# Altium PCB Graviton-RB1.PcbDoc (part 5 of 11) (continued)
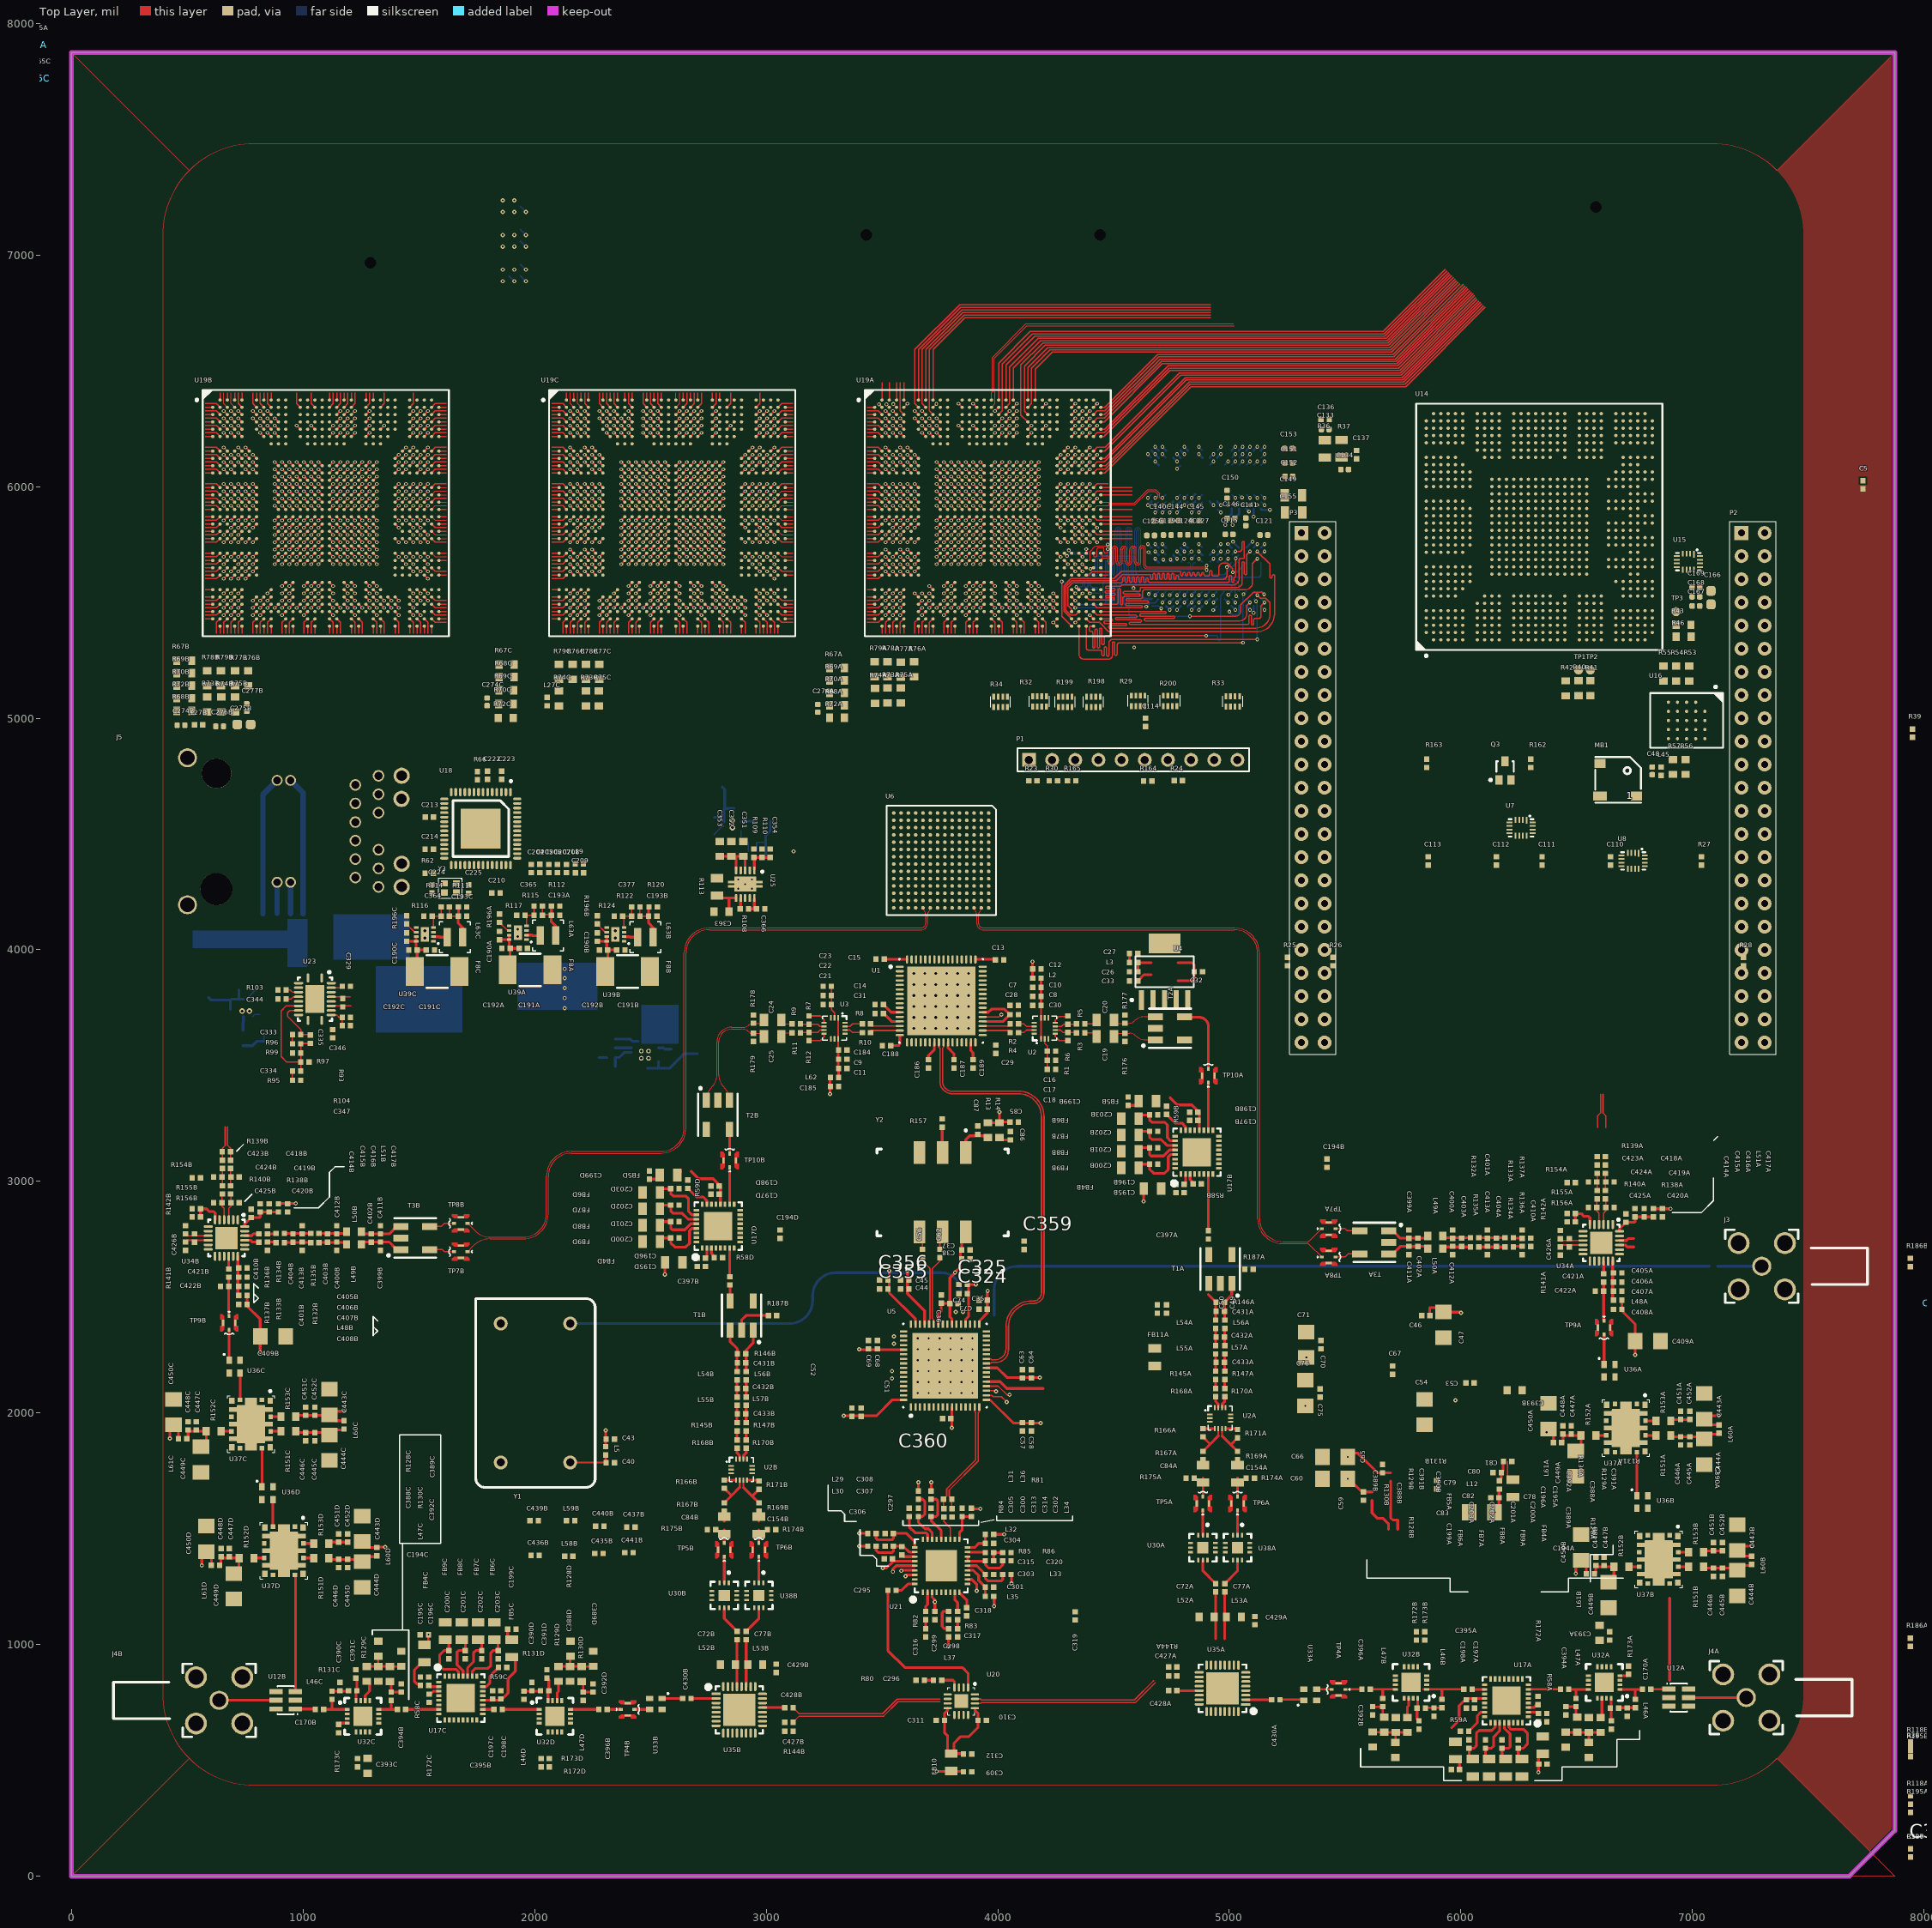
[diagram p0: Top Layer view]
## Nets (pads, with @x,y where several pads share a name; then routed paths per layer and width w, separated by ;. In a path a pad name is that pad's centre, name@x,y a point inside that pad or via, vN(x,y) a via of type N, cw(c..) or ccw(c..) an arc to the next point about the centre after c; other vN are vias at no path point) (continued)
DAC-LVDS.DAC-SYNC_N: U6.B5 U19C.Y32 | length 32.1
  Top Layer w2.99: U19C.Y32@3082.68,5775.59 3114.76,5775.59
DAC-LVDS.DAC-SYNC_P: U6.A5 U19C.W31 | length 70.1
  Top Layer w2.99: U19C.W31@3051.18,5807.09 3066.93,5791.34 3114.76,5791.34
DACCLK_N: U5.28 U6.A11
DACCLK_P: U5.27 U6.A12
DDR-A0: R33.1 U9.N3 U10.N3 U19A.AM28 | length 1235.3
  Top Layer w4.72: v1(4276.55,5590) 4276.55,5439.98 U19A.AM28@4318.9,5397.64
  Bottom Layer w4.72: v1(4276.55,5590) 4285,5590 cw(c4285,5585) 4290,5585 4290,5544 ccw(c4295,5544) 4295,5539 ccw(c4295,5544) 4300,5544 4300,5577 cw(c4313,5577) 4313,5590 4350,5590 4383.72,5623.72 4413.39,5623.72 ccw(c4413.39,5630.34) 4420,5630.34 4420,5685 cw(c4435.12,5685) 4435.12,5700.12 4502.13,5700.12
  Bottom Layer w4.75: 4502.13,5700.12 4580,5700.12 cw(c4580,5685.12) 4595,5685.12 4595,5635 ccw(c4610,5635) 4610,5620 4979,5620 5032,5673 U9.N3@5041.75,5673
  other v2: 5057.5,6108.75
DDR-A1: R33.2 U9.P7 U10.P7 U19A.AM29 | length 1726.4
  Top Layer w4.72: U19A.AM29@4350.39,5397.64 4350.39,5278 ccw(c4373.39,5278) 4373.39,5255 4478,5255 ccw(c4478,5272) 4495,5272 4495,5324.81 cw(c4500,5324.81) 4500,5329.81 cw(c4500,5324.81) 4505,5324.81 4505,5276 ccw(c4510,5276) 4510,5271 ccw(c4510,5276) 4515,5276 4515,5315 cw(c4525,5315) 4525,5325 5058,5325 v2(5059,5326)
  Signal Layer 1 w4.75: v2(5061.54,5535.54) 5061.54,5608.54 cw(c5068,5608.54) 5068,5615 5082,5615 ccw(c5082,5620) 5087,5620 ccw(c5082,5620) 5082,5625 5067.92,5625 cw(c5067.92,5631.38) 5061.54,5631.38 5061.54,5904.87 5073,5916.33 5073,5936 v2(5089,5952)
  Bottom Layer w4.75: v2(5059,5326) 5058.88,5326.12 5058.88,5532.62 U9.P7@5073.25,5547 ; U10.P7@5073.25,5967 v2@5088.25,5952
DDR-A2: R33.3 U9.P3 U10.P3 U19A.AL28 | length 1235.9
  Top Layer w4.72: U19A.AL28@4318.9,5429.13 4285.28,5462.76 4285.28,5572.23 4315.5,5602.45 4501.45,5602.45 4534,5635 4785,5635 cw(c4785,5630) 4790,5630 4790,5620.06 ccw(c4795.06,5620.06) 4795.06,5615 ccw(c4795.06,5620) 4800.06,5620 4800.06,5625 ; 4815,5615 ccw(c4815,5620) 4815.06,5615 ; v2(5015,5630) 5015,5646.65 4991.65,5670 4976,5670 ccw(c4976,5649) 4955,5649 4955,5620 cw(c4950,5620) 4950,5615 4930,5615 cw(c4930,5620) 4925,5620 4925,5632.5 ccw(c4920,5632.5) 4920,5637.5 ccw(c4920,5632.5) 4915,5632.5 4915,5620 cw(c4910,5620) 4910,5615 4895.06,5615 cw(c4895.06,5620.06) 4890,5620.06 4890,5624 ccw(c4885,5624) 4885,5629 ccw(c4885,5624) 4880,5624 4880,5620 cw(c4875,5620) 4875.03,5615 cw(c4875.06,5620.06) 4870,5620.06 4870,5624 ccw(c4865,5624) 4865,5629 ccw(c4865,5624) 4860,5624 4860,5620 cw(c4855,5620) 4855.03,5615 cw(c4855.06,5620.06) 4850,5620.06 4850,5624 ccw(c4845,5624) 4845,5629 ccw(c4845,5624) 4840,5624 4840,5620 cw(c4835,5620) 4835.03,5615 cw(c4835.06,5620.06) 4830,5620.06 4830,5625 ccw(c4825,5625) 4825,5630 ccw(c4825,5625) 4820,5625 4820,5620 cw(c4815,5620) 4815.06,5615 ; 4800.06,5625 cw(c4805.06,5625) 4805.06,5630 ; 4800.06,5625 cw(c4805.06,5625) 4805.06,5630 ; 4805.06,5630 cw(c4805.06,5625) 4810.06,5625 ; 4805.06,5630 cw(c4805.06,5625) 4810.06,5625 ; 4810.06,5620.06 ccw(c4815.12,5620.06) 4815.06,5615 ; 4810.06,5620.06 ccw(c4815.12,5620.06) 4815.06,5615 ; 4810.06,5620.06 4810.06,5625 ; 4815.06,5615 ccw(c4815.12,5620.06) 4815.12,5615 cw(c4815.12,5620.06) 4815.06,5615
  Bottom Layer w4.75: v2(5015,5630) 5030.25,5630 U9.P3@5073.25,5673
  other v2: 5089,6108.75
DDR-A3: R33.4 U9.N2 U10.N2 U19A.AK28 | length 1236.1
  Top Layer w4.72: U19A.AK28@4318.9,5460.63 4318.9,5470.1 4302.72,5486.28 4302.72,5565 4322.72,5585 4530.94,5585 ccw(c4530.94,5594) 4539.94,5594 4539.94,5604 cw(c4544.94,5604) 4544.94,5609 cw(c4544.94,5604) 4549.94,5604 4549.94,5591.06 ccw(c4555,5591.06) 4555,5586 ccw(c4555,5590.94) 4559.94,5590.94 4559.94,5605 cw(c4564.94,5605) 4564.94,5610 cw(c4564.94,5605) 4569.94,5605 4569.94,5591.06 ccw(c4575,5591.06) 4575,5586 ccw(c4575,5591) 4580,5591 4580,5604 cw(c4585,5604) 4585,5609 cw(c4585,5604) 4590,5604 4590,5592.06 ; 4594.94,5587 ccw(c4594.94,5592) 4595,5587 ; v2(5027.78,5690) 5027.78,5612.78 5020,5605 5020,5591.16 cw(c5015,5591.16) 5015,5586.16 cw(c5015,5591.16) 5010,5591.16 5010,5612 ccw(c5005,5612) 5005,5617 ccw(c5005,5612) 5000,5612 5000,5594 cw(c4993,5594) 4993,5587 4655,5587 cw(c4655,5592.06) 4649.94,5592.06 4649.94,5600 ccw(c4644.94,5600) 4644.94,5605 ccw(c4644.94,5600) 4639.94,5600 4639.94,5592 cw(c4634.94,5592) 4634.96,5587 cw(c4635,5592.06) 4629.94,5592.06 4629.94,5605 ccw(c4624.94,5605) 4624.94,5610 ccw(c4624.94,5605) 4619.94,5605 4619.94,5592 cw(c4614.94,5592) 4614.96,5587 cw(c4615,5592.06) 4609.94,5592.06 4609.94,5605 ccw(c4604.94,5605) 4604.94,5610 ccw(c4604.94,5605) 4599.94,5605 4599.94,5592 cw(c4594.94,5592) 4595,5587 ; 4590,5592.06 ccw(c4595.06,5592.06) 4595,5587 ; 4590,5592.06 ccw(c4595.06,5592.06) 4595,5587 ; 4595,5587 ccw(c4595.06,5592.06) 4595.06,5587 cw(c4595.06,5592.06) 4595,5587
  Bottom Layer w4.75: v2(5027.78,5690) 5027.78,5690.53 U9.N2@5041.75,5704.5
  other v2: 5057.5,6140.25
DDR-A4: R34.1 U9.P8 U10.P8 U19A.AK32 | length 1736.2
  Top Layer w4.72: U19A.AK32@4444.88,5460.63 4721.87,5460.63 cw(c4721.87,5455.63) 4726.87,5455.63 cw(c4721.87,5455.63) 4721.87,5450.63 4618.87,5450.63 ccw(c4618.87,5445.63) 4613.87,5445.63 ccw(c4618.87,5445.63) 4618.87,5440.63 4758.87,5440.63 cw(c4758.87,5435.63) 4763.87,5435.63 cw(c4758.87,5435.63) 4758.87,5430.63 4637.87,5430.63 ccw(c4637.87,5425.63) 4632.87,5425.63 ccw(c4637.87,5425.63) 4637.87,5420.63 5045.63,5420.63 ccw(c5045.63,5450.62) 5075.62,5450.62
  Top Layer w4.75: 5075.62,5450.62 5075.62,5486.38 v2(5089,5499.75)
  Signal Layer 1 w4.75: v2(5089,5499.75) 5089,5595.3 5100,5606.3 5100,5625.76 cw(c5108.66,5625.76) 5108.66,5634.42 5132.42,5634.42 ccw(c5132.42,5639) 5137,5639 5137,5639.15 ccw(c5131.86,5639.15) 5131.86,5644.29 5079.5,5644.29 cw(c5079.5,5652.17) 5071.62,5652.17 5071.62,5899.16 5089,5916.53 v2(5089,5919.75)
DDR-A5: R34.2 U9.P2 U10.P2 U19A.AJ32 | length 1213.3
  Top Layer w4.72: U19A.AJ32@4444.88,5492.13 4512.13,5492.13 ccw(c4512.13,5500) 4520,5500 4520,5555 cw(c4525,5555) 4525,5560 cw(c4525,5555) 4530,5555 4530,5495 ccw(c4535,5495) 4535,5490 ccw(c4535,5495) 4540,5495 4540,5517 cw(c4550,5517) 4550,5527 4610,5527 ccw(c4610,5532) 4615,5532 ccw(c4610,5532) 4610,5537 4547,5537 cw(c4547,5542) 4542,5542 cw(c4547,5542) 4547,5547 4610,5547 ccw(c4610,5552) 4615,5552 4615,5560 cw(c4620.11,5560) 4620.11,5565.11 5034.11,5565.11 ccw(c5034.11,5586) 5055,5586 5055,5670 cw(c5060,5670) 5060,5675 cw(c5060,5670) 5065,5670 5065,5625 ccw(c5070,5625) 5070,5620 ccw(c5070,5625) 5075,5625 5075,5706.25 v2(5089,5720.25)
  other v2: 5089,6140.25
DDR-A6: R34.3 U9.R8 U10.R8 U19A.AM30 | length 1704.2
  Top Layer w4.72: U19A.AM30@4381.89,5397.64 4381.89,5340.39 4381.89,5305.11 ccw(c4393,5305.11) 4393,5294 4443,5294 cw(c4443,5287) 4450,5287 4450,5275 ccw(c4455,5275) 4455,5270 ccw(c4455,5275) 4460,5275 4460,5303 cw(c4465,5303) 4465,5308 cw(c4465,5303) 4470,5303 4470,5273 ccw(c4475,5273) 4475,5268 ccw(c4475,5273) 4480,5273 4480,5325.05 cw(c4495.29,5325.05) 4495.29,5340.33 ; 4495.3,5340.33 v2(5120.5,5340)
  Signal Layer 1 w4.75: v2(5115.25,5505) 5105,5515.25 5105,5560 5170,5625 5170,5780 ccw(c5160,5780) 5160,5790 5100,5790 cw(c5100,5795) 5095,5795 cw(c5100,5795) 5100,5800 5109,5800 ccw(c5109,5811) 5120,5811 v2(5120,5921)
  Bottom Layer w4.75: U10.R8@5105.25,5935 v2@5120.25,5920 ; v2(5120.5,5340) v2@5120.5,5499.75
DDR-A7: R34.4 U9.R2 U10.R2 U19A.AL30 | length 1214.2
  Top Layer w4.72: U19A.AL30@4381.89,5429.13 4397.64,5413.39 4439.61,5413.39 4479.61,5373.39 5118.39,5373.39 ccw(c5118.39,5450) 5195,5450
  Top Layer w4.75: v2(5120.5,5720.25) 5175,5665.75 5175,5610 ccw(c5180,5610) 5180,5605 ccw(c5180,5610) 5185,5610 5185,5614.25 cw(c5190.75,5614.25) 5190.75,5620 cw(c5190.75,5615.75) 5195,5615.75 5195,5450
DDR-A8: R198.1 U9.T8 U10.T8 U19A.AK31 | length 1736.2
  Top Layer w4.72: U19A.AK31@4413.39,5460.63 4429.13,5444.88 4596,5444.88 cw(c4596,5439.88) 4601,5439.88 cw(c4596,5439.88) 4596,5434.88 4513,5434.88 ccw(c4513,5429.88) 4508,5429.88 ccw(c4513,5429.88) 4513,5424.88 4616,5424.88 cw(c4616,5419.88) 4621,5419.88 cw(c4616,5419.88) 4616,5414.88 4573,5414.88 ccw(c4573,5409.88) 4568,5409.88 ccw(c4573,5409.88) 4573,5404.88 5005,5404.88
  Top Layer w4.75: 5005,5404.88 5080,5404.88 ccw(c5080,5409.88) 5085,5409.88 5085,5440 cw(c5090,5440) 5090,5445 cw(c5090,5440) 5095,5440 5095,5407.5 ccw(c5100,5407.5) 5100,5402.5 ccw(c5100,5407.5) 5105,5407.5 5105,5425 cw(c5110,5425) 5110,5430 5127,5430 ccw(c5127,5439) 5136,5439 5136,5483.75 v2(5152,5499.75)
  Signal Layer 1 w4.75: v2(5152,5499.75) 5135,5516.75 5135,5562.42 5189.5,5616.92 5189.5,5845 ccw(c5174.5,5845) 5174.5,5860 5157,5860 cw(c5157,5865) 5152,5865 cw(c5157,5865) 5157,5870 5174.5,5870 ccw(c5174.5,5875) 5179.5,5875 5179.5,5875.25 ccw(c5174.75,5875.25) 5174.75,5880 5163,5880 cw(c5163,5891) 5152,5891 v2(5152,5919.75)
DDR-A9: R198.2 U9.R3 U10.R3 U19A.AJ31 | length 1213.5
  Top Layer w4.72: U19A.AJ31@4413.39,5492.13 4429.13,5476.38 4620,5476.38 ccw(c4620,5481.38) 4625,5481.38 ccw(c4620,5481.38) 4620,5486.38 4557,5486.38 cw(c4557,5491.38) 4552,5491.38 cw(c4557,5491.38) 4557,5496.38 4646,5496.38 ccw(c4646,5501.38) 4651,5501.38 ccw(c4646,5501.38) 4646,5506.38 4560,5506.38 cw(c4560,5511.38) 4555,5511.38 cw(c4560,5511.38) 4560,5516.38 4616.38,5516.38 ccw(c4616.38,5525) 4625,5525 4625,5545 cw(c4635,5545) 4635,5555 5069,5555 ccw(c5069,5586) 5100,5586 5100,5668.25 v2(5120.5,5688.75)
  other v2: 5120.5,6108.75
DDR-A10: R198.3 U9.L7 U10.L7 U19A.AM31 | length 1235.9
  Top Layer w4.72: U19A.AM31@4413.39,5397.64 4400,5397.64 ccw(c4400,5392.64) 4395,5392.64 4395,5380 ccw(c4400,5380) 4400,5375 4404.74,5375 cw(c4404.74,5370) 4409.74,5370 4409.74,5308.67 ccw(c4414.74,5308.67) 4414.74,5303.67 ccw(c4414.74,5308.67) 4419.74,5308.67 4419.74,5380 cw(c4424.74,5380) 4424.74,5385 cw(c4424.74,5380) 4429.74,5380 4429.74,5308.67 ccw(c4434.74,5308.67) 4434.74,5303.67 ccw(c4434.74,5308.67) 4439.74,5308.67 4439.74,5384.18 cw(c4444.74,5384.18) 4444.74,5389.18 cw(c4444.74,5384.18) 4449.74,5384.18 4449.74,5322.39 ; 4449.74,5322 4449.74,5322.39 ; v8(4900,5356) 4468,5356 ccw(c4468,5347.74) 4459.74,5347.74 4459.74,5322.39 cw(c4454.74,5322.39) 4454.74,5317.39 cw(c4454.74,5322.39) 4449.74,5322.39
  Bottom Layer w4.72: v8(4900,5356) 4945,5356 cw(c4945,5351) 4950,5351 4950,5342.61 ; 4950,5343 ccw(c4956,5343) 4956,5337 ccw(c4956,5342.61) 4961.61,5342.61 4961.61,5529.86 U9.L7@4978.75,5547
DDR-A11: R198.4 U9.R7 U10.R7 U19A.AL32 | length 1746.6
  Top Layer w4.72: U19A.AL32@4444.88,5429.13 4491,5429.13 cw(c4491,5424.13) 4496,5424.13 cw(c4491,5424.13) 4491,5419.13 4462.95,5419.13 ccw(c4462.95,5414.13) 4457.95,5414.13 ccw(c4462.95,5414.13) 4462.95,5409.13 4551.3,5409.13 cw(c4551.3,5404.13) 4556.3,5404.13 cw(c4551.3,5404.13) 4551.3,5399.13 4483.3,5399.13 ccw(c4483.3,5394.13) 4478.3,5394.13 ccw(c4483.3,5394.13) 4483.3,5389.13 5114.63,5389.13 ccw(c5114.63,5450) 5175.5,5450 5175.5,5500 5157.61,5517.89 5133.86,5517.89 v2(5120.5,5531.25)
  Signal Layer 1 w4.75: v2(5120.5,5531.25) 5120.5,5561.71 5179.75,5620.96 5179.75,5795 ccw(c5164.75,5795) 5164.75,5810 5140.25,5810 cw(c5140.25,5815) 5135.25,5815 cw(c5140.25,5815) 5140.25,5820 5174.75,5820 ccw(c5174.75,5825) 5179.75,5825 5179.75,5825.25 ccw(c5175,5825.25) 5175,5830 5140,5830 cw(c5140,5835) 5135,5835 cw(c5140,5835) 5140,5840 5156,5840 ccw(c5156,5845) 5161,5845 ccw(c5156,5845) 5156,5850 5145,5850 cw(c5145,5859) 5136,5859 5136,5935.75 v2(5120.5,5951.25)
DDR-A12: R199.1 U9.N7 U10.N7 U19A.AG28 | length 1254.9
  Top Layer w5: U19A.AG28@4318.9,5555.12 v1(4334.65,5539.37)
  Bottom Layer w4.72: v1(4334.65,5539.37) 4350.28,5555 4425,5555 ccw(c4425,5560) 4430,5560 ccw(c4425,5560) 4425,5565 4409,5565 cw(c4409,5574) 4400,5574 4400,5595 cw(c4410,5595) 4410,5605 4454,5605 ccw(c4454,5616) 4465,5616 4465,5675 cw(c4470,5675) 4470,5680 cw(c4470,5675) 4475,5675 4475,5625 ccw(c4480,5625) 4480,5620 ccw(c4480,5625) 4485,5625 4485,5675 cw(c4490,5675) 4490,5680 cw(c4490,5675) 4495,5675 4495,5625 ccw(c4500,5625) 4500,5620 ccw(c4500,5625) 4502.13,5620.47 ccw(c4500,5625) 4505,5625 4505,5670 cw(c4515,5670) 4515,5680 4569.47,5680 cw(c4569.47,5675) 4574.47,5675 4574.47,5609.53 ccw(c4585,5609.53) 4585,5599 5012.85,5599 cw(c5012.85,5570.1) 5041.75,5570.1 U9.N7@5041.75,5547 ; U10.N7@5041.75,5967 v2(5055,5953.75)
DDR-A13: R199.2 U9.T3 U10.T3 U19A.AG29 | length 1236.2
  Top Layer w5: v1(4339,5566.51) U19A.AG29@4350.39,5555.12
  Bottom Layer w4.72: v1(4339,5566.51) 4359.51,5566.51 ccw(c4359.51,5572) 4365,5572 4365,5585 cw(c4370,5585) 4370,5590 cw(c4370,5585) 4375,5585 4375,5571 ccw(c4380,5571) 4380,5566 4384.47,5566 ccw(c4384.47,5571) 4389.47,5571 4389.47,5606.47 cw(c4398,5606.47) 4398,5615 4425,5615 ccw(c4425,5620) 4430,5620 4430,5685 cw(c4435,5685) 4435,5690 cw(c4435,5685) 4440,5685 4440,5620 ccw(c4445,5620) 4445,5615 ccw(c4445,5620) 4450,5620 4450,5678 cw(c4462,5678) 4462,5690 4575,5690 cw(c4575,5680) 4585,5680 4585,5619 ccw(c4595,5619) 4595,5609 5125.46,5609 ccw(c5125.46,5619.79) 5136.25,5619.79 U9.T3@5136.25,5673
  other v2: 5152,6108.75
DDR-A14: R199.3 U9.T7 U10.T7 U19A.AJ28 | length 1629.5
  Top Layer w4.75: v2(4830,5440) 5025,5440 ccw(c5025,5465) 5050,5465 5050,5490 5104.62,5544.62 5140.38,5544.62 v2(5150,5535)
  Top Layer w5: U19A.AJ28@4318.9,5492.13 v2(4334.65,5476.38)
  Signal Layer 1 w4.75: v2(5150,5535) 5150,5563.63 5199.25,5612.88 5199.25,5920 ccw(c5190,5920) 5190,5929.25 5174.25,5929.25 cw(c5174.25,5934.25) 5169.25,5934.25 cw(c5174.25,5934.25) 5174.25,5939.25 5190,5939.25 ccw(c5190,5944.25) 5195,5944.25 5195,5946.25 ccw(c5190,5946.25) 5190,5951.25 v2(5152,5951.25)
  Bottom Layer w4.75: U9.T7@5136.25,5547 5137.5,5547 5150,5534.5 v2(5150,5535)
  Bottom Layer w5: v2(4334.65,5476.38) 4528,5476.38 ccw(c4528,5483.53) 4535.15,5483.53 4535.15,5520 ; 4535.15,5520.15 cw(c4540,5520.15) 4540,5525 cw(c4540,5520) 4545,5520 4545,5495 ccw(c4550,5495) 4550,5490 ccw(c4550,5495) 4555,5495 4555,5520 cw(c4560,5520) 4560,5525 cw(c4560,5520) 4565,5520 4565,5449 ccw(c4574,5449) 4574,5440 v2(4830,5440)
DDR-A15: R199.4 U9.M7 U10.M7 U19A.AH28 | length 1726.4
  Top Layer w5: U19A.AH28@4318.9,5523.62 v1(4334.65,5507.87)
  Signal Layer 1 w4.75: v2@4995.88,5533.12 4990,5539 4990,5585 5041.26,5636.26 5041.26,5936.01 v2(5026.14,5951.14)
  Bottom Layer w4.72: v1(4334.65,5507.87) 4352.52,5490 4455,5490 ccw(c4455,5500) 4465,5500 4465,5530.5 cw(c4470,5530.5) 4470,5535.5 cw(c4470,5530.5) 4475,5530.5 4475,5495 ccw(c4480,5495) 4480,5490 ccw(c4480,5495) 4485,5495 4485,5574 cw(c4490,5574) 4490,5579 cw(c4490,5574) 4495,5574 4495,5495 ccw(c4500,5495) 4500,5490 ccw(c4500,5495) 4502.13,5490.47 ccw(c4500,5495) 4505,5495 4505,5574 cw(c4510,5574) 4510,5579 cw(c4510,5574) 4515,5574 4515,5495 ccw(c4520,5495) 4520,5490 ccw(c4520,5495) 4525,5495 4525,5574 cw(c4530,5574) 4530,5579 4998.88,5579 cw(c4998.88,5567.63) 5010.25,5567.63 U9.M7@5010.25,5547 ; U10.M7@5010.25,5967 v2(5026.14,5951.14)
  Bottom Layer w4.75: v2@4996.25,5533 U9.M7@5010.25,5547
  other v2: 4996,5533
DDR-BA0: R200.1 U9.M2 U10.M2 U19A.AH30 | length 1213.9
  Top Layer w4.72: U19A.AH30@4381.89,5523.62 4395.51,5510 4499,5510 ccw(c4499,5515) 4504,5515 ccw(c4499,5515) 4499,5520 4470,5520 cw(c4470,5525) 4465,5525 cw(c4470,5525) 4470,5530 4502.13,5530 ccw(c4502.13,5535) 4507.13,5535 ccw(c4502.13,5535) 4502.13,5540 4469.13,5540 cw(c4469.13,5545) 4464.13,5545 cw(c4469.13,5545) 4469.13,5550 4501,5550 ccw(c4501,5555) 4506,5555 ccw(c4501,5555) 4501,5560 4470,5560 cw(c4470,5565) 4465,5565 cw(c4469.14,5565) 4469.14,5569.14 ; 4470,5569.14 4502.13,5569.14 4530.39,5569.14 4536.89,5575.64 5017.39,5575.64 ccw(c5017.39,5600) 5041.75,5600
  Top Layer w4.75: v2(5026,5720.25) 5043,5720.25 ccw(c5043,5732.25) 5055,5732.25 5055,5758 cw(c5060,5758) 5060,5763 cw(c5060,5758) 5065,5758 5065,5695 cw(c5060,5695) 5060,5690 5050,5690 ccw(c5050,5681.75) 5041.75,5681.75 5041.75,5600
  other v2: 5026,6140.25
DDR-BA1: R200.2 U9.N8 U10.N8 U19A.AG30 | length 1704
  Top Layer w5: U19A.AG30@4381.89,5555.12 v1(4397.64,5539.37)
  Signal Layer 1 w4.72: v2(5030,5527.25) 5030,5540 cw(c5035,5540) 5035,5545 5045,5545 ccw(c5045,5550) 5050,5550 ccw(c5045,5550) 5045,5555 5022.5,5555 cw(c5022.5,5560) 5017.5,5560 cw(c5022.5,5560) 5022.5,5565 5045,5565 ccw(c5045,5571) 5051,5571 5051,5913.25 v2(5057.5,5919.75)
  Bottom Layer w4.72: v1(4397.64,5539.37) 4397.64,5540 4440,5540 cw(c4440,5535) 4445,5535 4445,5520 ccw(c4450,5520) 4450,5515 ccw(c4450,5520) 4455,5520 4455,5585 cw(c4465,5585) 4465,5595 4497,5595 ccw(c4497,5613) 4515,5613 4515,5664.47 cw(c4520,5664.47) 4520,5669.47 cw(c4520,5664.47) 4525,5664.47 4525,5600 ccw(c4530,5600) 4530,5595 ccw(c4530,5600) 4535,5600 4535,5665 cw(c4540,5665) 4540,5670 cw(c4540,5665) 4545,5665 4545,5600 ccw(c4550,5600) 4550,5595 ccw(c4550,5600) 4555,5600 4555,5665 cw(c4560,5665) 4560,5670 cw(c4560,5665.25) 4564.75,5665.25 4564.75,5604.25 ccw(c4580,5604.25) 4580,5589 5006,5589 cw(c5006,5570) 5025,5570 5025,5532.25 v2(5030,5527.25) U9.N8@5041.75,5515.5
DDR-BA2: R200.3 U9.M3 U10.M3 U19A.AK29 | length 1236.1
  Top Layer w4.72: U19A.AK29@4350.39,5460.63 4335.76,5446 4314.37,5446 4294,5466.37 4294,5568.61 4319.11,5593.72 4512.72,5593.72 4539,5620 4655,5620 cw(c4655,5615) 4660,5615 4660,5605.06 ccw(c4665.06,5605.06) 4665.06,5600 ccw(c4665.06,5605) 4670.06,5605 4670.06,5620 ; 4685,5600 ccw(c4685,5605) 4685.06,5600 ; 4745.03,5600 ccw(c4745,5605) 4750,5605 4750,5620 cw(c4755,5620) 4755,5625 cw(c4755,5620) 4760,5620 4760,5605.06 ccw(c4765.06,5605.06) 4765.06,5600 ; 4745.06,5600 cw(c4745.06,5605.06) 4740,5605.06 4740,5620 ccw(c4735,5620) 4735,5625 ccw(c4735,5620) 4730,5620 4730,5605 cw(c4725,5605) 4725.03,5600 cw(c4725.06,5605.06) 4720,5605.06 4720,5620 ccw(c4715,5620) 4715,5625 ccw(c4715,5620) 4710,5620 4710,5605 cw(c4705,5605) 4705.03,5600 cw(c4705.06,5605.06) 4700,5605.06 4700,5620 ccw(c4695,5620) 4695,5625 ccw(c4695,5620) 4690,5620 4690,5605 cw(c4685,5605) 4685.06,5600 ; 4765.03,5600 ccw(c4765,5605) 4770,5605 4770,5612 cw(c4775,5612) 4775,5617 cw(c4775,5612) 4780,5612 4780,5605.06 ccw(c4785.06,5605.06) 4785.06,5600 4972,5600 ccw(c4972,5618) 4990,5618 v2(4990,5652.75) ; 4670.06,5620 cw(c4675.06,5620) 4675.06,5625 ; 4670.06,5620 cw(c4675.06,5620) 4675.06,5625 ; 4675.06,5625 cw(c4675.06,5620) 4680.06,5620 ; 4675.06,5625 cw(c4675.06,5620) 4680.06,5620 ; 4680.06,5605.06 ccw(c4685.12,5605.06) 4685.06,5600 ; 4680.06,5605.06 ccw(c4685.12,5605.06) 4685.06,5600 ; 4680.06,5605.06 4680.06,5620 ; 4685.06,5600 ccw(c4685.12,5605.06) 4685.12,5600 cw(c4685.12,5605.06) 4685.06,5600
  Bottom Layer w4.75: v2(4990,5652.75) U9.M3@5010.25,5673
  other v2: 5026,6108.75
DDR-D0: U10.E3 U19A.P28 | length 22.3
  Top Layer w5: U19A.P28@4318.9,5964.57 v1(4334.65,5980.32)
  other v2: 4774,6077.25
DDR-D1: U10.F7 U19A.P29 | length 22.3
  Top Layer w5: U19A.P29@4350.39,5964.57 v1(4366.14,5980.32)
  other v2: 4805.5,5951.25
DDR-D2: U10.F2 U19A.R26 | length 22.3
  Top Layer w5: U19A.R26@4255.91,5933.07 v1(4271.65,5948.82)
DDR-D3: U10.F8 U19A.T26 | length 22.3
  Top Layer w5: U19A.T26@4255.91,5901.57 v1(4271.65,5917.32)
  other v2: 4805.5,5919.75
DDR-D4: U10.H3 U19A.R27 | length 22.3
  Top Layer w5: U19A.R27@4287.4,5933.07 v1(4303.15,5948.82)
DDR-D5: U10.H8 U19A.T27 | length 22.3
  Top Layer w5: U19A.T27@4287.4,5901.57 v1(4303.15,5917.32)
  other v2: 4868.5,5919.75
DDR-D6: U10.G2 U19A.U27 | length 22.3
  Top Layer w5: U19A.U27@4287.4,5870.08 v1(4303.15,5854.33)
DDR-D7: U10.H7 U19A.U26 | length 22.3
  Top Layer w5: U19A.U26@4255.91,5870.08 v1(4271.65,5854.33)
  other v2: 4868.5,5951.25
DDR-D8: U10.D7 U19A.P31 | length 173.1
  Top Layer w4.72: U19A.P31@4413.39,5964.57 4429.13,5980.32 4580,5980.32
DDR-D9: U10.C3 U19A.P30 | length 22.3
  Top Layer w5: U19A.P30@4381.89,5964.57 v1(4397.64,5980.32)
DDR-D10: U10.C8 U19A.R30 | length 22.3
  Top Layer w5: U19A.R30@4381.89,5933.07 v1(4397.64,5948.82)
  other v2: 4711,5919.75
DDR-D11: U10.C2 U19A.T30 | length 22.3
  Top Layer w5: U19A.T30@4381.89,5901.57 v1(4397.64,5917.32)
  other v2: 4711,6140.25
DDR-D12: U10.A7 U19A.N32 | length 135.1
  Top Layer w4.72: U19A.N32@4444.88,5996.06 4580,5996.06
  other v2: 4648,5951.25
DDR-D13: U10.A2 U19A.P32 | length 135.1
  Top Layer w4.72: U19A.P32@4444.88,5964.57 4580,5964.57
  other v2: 4648,6140.25
DDR-D14: U10.B8 U19A.U31 | length 173.1
  Top Layer w4.72: U19A.U31@4413.39,5870.08 4429.13,5854.33 4580,5854.33
  other v2: 4679.5,5919.75
DDR-D15: U10.A3 U19A.U30 | length 22.3
  Top Layer w5: U19A.U30@4381.89,5870.08 v1(4397.64,5854.33)
DDR-D16: U9.E3 U19A.Y26 | length 43.8
  Top Layer w5: U19A.Y26@4255.91,5775.59 v1(4271.65,5759.84)
  Bottom Layer w4.75: U9.E3@4789.75,5673 v2(4805,5688.25)
DDR-D17: U9.F7 U19A.Y27 | length 22.3
  Top Layer w5: U19A.Y27@4287.4,5775.59 v1(4303.15,5759.84)
  other v2: 4805.5,5531.25
DDR-D18: U9.F2 U19A.Y28 | length 43.8
  Top Layer w5: U19A.Y28@4318.9,5775.59 v1(4334.65,5759.84)
  Bottom Layer w4.75: U9.F2@4821.25,5704.5 v2(4836.5,5719.75)
DDR-D19: U9.F8 U19A.W28 | length 22.3
  Top Layer w5: U19A.W28@4318.9,5807.09 v1(4334.65,5791.34)
  other v2: 4805.5,5499.75
DDR-D20: U9.H3 U19A.Y29 | length 43.8
  Top Layer w5: U19A.Y29@4350.39,5775.59 v1(4366.14,5759.84)
  Bottom Layer w4.75: v2(4869,5688.25) U9.H3@4884.25,5673
DDR-D21: U9.H8 U19A.W29 | length 22.3
  Top Layer w5: U19A.W29@4350.39,5807.09 v1(4366.14,5791.34)
  other v2: 4868.5,5499.75
DDR-D22: U9.G2 U19A.AB26 | length 43.8
  Top Layer w5: U19A.AB26@4255.91,5712.6 v1(4271.65,5696.85)
  Bottom Layer w4.75: v2(4837.5,5689.25) U9.G2@4852.75,5704.5
DDR-D23: U9.H7 U19A.AC27 | length 22.3
  Top Layer w5: U19A.AC27@4287.4,5681.1 v1(4303.15,5665.35)
  other v2: 4868.5,5531.25
DDR-D24: U9.D7 U19A.AB30 | length 538.9
  Top Layer w5: U19A.AB30@4381.89,5712.6 4380,5714.49 4382,5716.49 v1(4382,5730)
  Signal Layer 1 w4.75: 4395,5695 4420,5695 4463,5652 4463,5604.89 4553.89,5514 4725.25,5514 v2(4743,5531.75)
  Signal Layer 1 w5: v1(4382,5730) 4382,5708 4395,5695
  Bottom Layer w4.75: v2(4743,5531.75) U9.D7@4758.25,5547
DDR-D25: U9.C3 U19A.AB29 | length 39.2
  Top Layer w5: U19A.AB29@4350.39,5712.6 v1(4366.14,5696.85)
  Bottom Layer w4.75: v2(4714.75,5685) U9.C3@4726.75,5673
DDR-D26: U9.C8 U19A.AC28 | length 508.8
  Top Layer w5: U19A.AC28@4318.9,5681.1 v1(4334.65,5665.35)
  Signal Layer 1 w4.75: 4415,5680 4446.65,5648.35 4446.65,5598.11 4545.01,5499.75 v2(4711,5499.75)
  Signal Layer 1 w5: v1(4334.65,5665.35) 4349.29,5680 4415,5680
DDR-D27: U9.C2 U19A.AD29 | length 22.3
  Top Layer w5: U19A.AD29@4350.39,5649.61 v1(4366.14,5633.86)
  other v2: 4711,5720.25
DDR-D28: U9.A7 U19A.W31 | length 464.8
  Top Layer w4.72: U19A.W31@4413.39,5807.09 4429.13,5791.34 4580,5791.34
  Signal Layer 1 w4.75: 4485,5690 4485,5614 4563,5536 v2(4652,5536)
  Bottom Layer w4.75: v2(4652,5536) 4652.75,5536 U9.A7@4663.75,5547
DDR-D29: U9.A2 U19A.Y32 | length 153.1
  Top Layer w4.72: U19A.Y32@4444.88,5775.59 4580,5775.59
  Bottom Layer w4.75: v2(4651,5717.25) U9.A2@4663.75,5704.5
DDR-D30: U9.B8 U19A.AD30 | length 470.1
  Top Layer w5: v1(4365,5665) 4366.5,5665 U19A.AD30@4381.89,5649.61
  Signal Layer 1 w4.75: 4431.98,5638.02 4431.98,5592.04 4542.01,5482 v2(4641.42,5482)
  Signal Layer 1 w5: v1(4365,5665) 4405,5665 4431.98,5638.02
  Bottom Layer w4.75: v2(4641.42,5482) 4657.8,5498.38 4678.12,5498.38 U9.B8@4695.25,5515.5
DDR-D31: U9.A3 U19A.AE30 | length 106.7
  Top Layer w4.75: U19A.AE30@4381.89,5618.11 4392.03,5618.11 4406.49,5632.57 4482.57,5632.57
DDRCC2.S0C: U19C.P27 | length 22.3
  Top Layer w5: U19C.P27@2925.2,5964.57 v1(2940.94,5980.32)
DDRCC2.S1C: U19C.P26 | length 22.3
  Top Layer w5: U19C.P26@2893.7,5964.57 v1(2909.45,5980.32)
DDRCC2.S2C: U19C.N26 | length 22.3
  Top Layer w5: U19C.N26@2893.7,5996.06 v1(2909.45,6011.81)
DDRCC2.S3C: U19C.N27 | length 22.3
  Top Layer w5: U19C.N27@2925.2,5996.06 v1(2940.94,6011.81)
DDRCC2.S4C: U19C.L27 | length 22.3
  Top Layer w5: U19C.L27@2925.2,6059.06 v1(2940.94,6074.8)
DDRCC2.S5C: U19C.L26 | length 22.3
  Top Layer w5: U19C.L26@2893.7,6059.06 v1(2909.45,6074.8)
DDRCC2.S6C: U19C.N29 | length 22.3
  Top Layer w5: U19C.N29@2988.19,5996.06 v1(3003.94,6011.81)
DDRCC2.S7C: U19C.N30 | length 22.3
  Top Layer w5: U19C.N30@3019.68,5996.06 v1(3035.43,6011.81)
DDRCC2.S8C: U19C.L29 | length 22.3
  Top Layer w5: U19C.L29@2988.19,6059.06 v1(3003.94,6074.8)
DDRCC2.S9C: U19C.K28 | length 22.3
  Top Layer w5: U19C.K28@2956.69,6090.55 v1(2972.44,6106.3)
DDRCC2.S10C: U19C.K26 | length 22.3
  Top Layer w5: U19C.K26@2893.7,6090.55 v1(2909.45,6106.3)
DDRCC2.S11C: U19C.K27 | length 22.3
  Top Layer w5: U19C.K27@2925.2,6090.55 v1(2940.94,6106.3)
DDRCC2.S12C: U19C.J27 | length 22.3
  Top Layer w5: U19C.J27@2925.2,6122.05 v1(2940.94,6137.8)
DDRCC2.S13C: U19C.H28 | length 22.3
  Top Layer w5: U19C.H28@2956.69,6153.54 v1(2972.44,6169.29)
DDRCC2.S14C: U19C.H27 | length 22.3
  Top Layer w5: U19C.H27@2925.2,6153.54 v1(2940.94,6169.29)
DDRCC2.S15C: U19C.K29 | length 22.3
  Top Layer w5: U19C.K29@2988.19,6090.55 v1(3003.94,6106.3)
DDRCC2.S16C: U19C.J29 | length 22.3
  Top Layer w5: U19C.J29@2988.19,6122.05 v1(3003.94,6137.8)
DDRCC2.S17C: U19C.L30 | length 22.3
  Top Layer w5: U19C.L30@3019.68,6059.06 v1(3035.43,6074.8)
DDRCC2.S18C: U19C.L31 | length 70.1
  Top Layer w4.72: U19C.L31@3051.18,6059.06 3066.93,6074.8 3114.76,6074.8
DDRCC2.S19C: U19C.L32 | length 32.1
  Top Layer w4.72: U19C.L32@3082.68,6059.06 3114.76,6059.06
DDRCC2.S20C: U19C.K32 | length 32.1
  Top Layer w4.72: U19C.K32@3082.68,6090.55 3114.76,6090.55
DDRCC2.S21C: U19C.J32 | length 32.1
  Top Layer w4.72: U19C.J32@3082.68,6122.05 3114.76,6122.05
DDRCC2.S22C: U19C.K31 | length 70.1
  Top Layer w4.72: U19C.K31@3051.18,6090.55 3066.93,6106.3 3114.76,6106.3
DDRCC2.S23C: U19C.K30 | length 22.3
  Top Layer w5: U19C.K30@3019.68,6090.55 v1(3035.43,6106.3)
DDRCC2.S24C: U19C.J30 | length 22.3
  Top Layer w5: U19C.J30@3019.68,6122.05 v1(3035.43,6137.8)
DDRCC2.S25C: U19C.H30 | length 22.3
  Top Layer w5: U19C.H30@3019.68,6153.54 v1(3035.43,6169.29)
DDRCC2.S26C: U19C.H31 | length 70.1
  Top Layer w4.72: U19C.H31@3051.18,6153.54 3066.93,6169.29 3114.76,6169.29
DDRCC2.S27C: U19C.H32 | length 32.1
  Top Layer w4.72: U19C.H32@3082.68,6153.54 3114.76,6153.54
DDRCC2.S28C: U19C.F32 | length 32.1
  Top Layer w4.72: U19C.F32@3082.68,6216.54 3114.76,6216.54
DDRCC2.S29C: U19C.E32 | length 32.1
  Top Layer w4.72: U19C.E32@3082.68,6248.03 3114.76,6248.03
DDRCC2.S30C: U19C.F31 | length 70.1
  Top Layer w4.72: U19C.F31@3051.18,6216.54 3066.93,6232.28 3114.76,6232.28
DDRCC2.S31C: U19C.D32 | length 32.1
  Top Layer w4.72: U19C.D32@3082.68,6279.53 3114.76,6279.53
DDRCC2.S32C: U19C.C32 | length 32.1
  Top Layer w4.72: U19C.C32@3082.68,6311.02 3114.76,6311.02
DDRCC2.S33C: U19C.E30 | length 22.3
  Top Layer w5: U19C.E30@3019.68,6248.03 v1(3035.43,6263.78)
DDRCC2.S34C: U19C.F30 | length 22.3
  Top Layer w5: U19C.F30@3019.68,6216.54 v1(3035.43,6232.28)
DDRCC2.S35C: U19C.D31 | length 70.1
  Top Layer w4.72: U19C.D31@3051.18,6279.53 3066.93,6295.28 3114.76,6295.28
DDRCC2.S36C: U19C.D30 | length 22.3
  Top Layer w5: U19C.D30@3019.68,6279.53 v1(3035.43,6295.28)
DDRCC2.S37C: U19C.C31 | length 70.1
  Top Layer w4.72: U19C.C31@3051.18,6311.02 3066.93,6326.77 3114.76,6326.77
DDRCC2.S38C: U19C.B32 | length 32.1
  Top Layer w4.72: U19C.B32@3082.68,6342.52 3114.76,6342.52
DDRCC2.S39C: U19C.F28 | length 22.3
  Top Layer w5: U19C.F28@2956.69,6216.54 v1(2972.44,6232.28)
DDRCC2.S40C: U19C.F29 | length 22.3
  Top Layer w5: U19C.F29@2988.19,6216.54 v1(3003.94,6232.28)
DDRCC2.S41C: U19C.E29 | length 22.3
  Top Layer w5: U19C.E29@2988.19,6248.03 v1(3003.94,6263.78)
DDRCC2.S42C: U19C.D29 | length 22.3
  Top Layer w5: U19C.D29@2988.19,6279.53 v1(3003.94,6295.28)
DDRCC2.S43C: U19C.C30 | length 22.3
  Top Layer w5: U19C.C30@3019.68,6311.02 v1(3035.43,6326.77)
DDRCC2.S44C: U19C.C29 | length 22.3
  Top Layer w5: U19C.C29@2988.19,6311.02 v1(3003.94,6326.77)
DDRCC2.S45C: U19C.D28 | length 22.3
  Top Layer w5: U19C.D28@2956.69,6279.53 v1(2972.44,6295.28)
DDRCC2.S46C: U19C.C28 | length 22.3
  Top Layer w5: U19C.C28@2956.69,6311.02 v1(2972.44,6326.77)
DDRCC6.S47A: U19A.AB3 | length 22.3
  Top Layer w5: v1(3515.75,5728.35) U19A.AB3@3531.5,5712.6
DDRCC6.S47B: U19B.AB3 | length 22.3
  Top Layer w5: v1(657.48,5696.85) U19B.AB3@673.23,5712.6
DDRCC6.S47C: U19C.AB3 | length 22.3
  Top Layer w5: v1(2153.54,5728.35) U19C.AB3@2169.29,5712.6
DDRCC7.S0B: U19B.P6 | length 22.3
  Top Layer w5: v1(751.97,5980.32) U19B.P6@767.72,5964.57
DDRCC7.S1B: U19B.P7 | length 22.3
  Top Layer w5: v1(783.46,5980.32) U19B.P7@799.21,5964.57
DDRCC7.S2B: U19B.C4 | length 22.3
  Top Layer w5: v1(688.98,6326.77) U19B.C4@704.72,6311.02